# Altium PCB Copy of RaspberryHatBoard1.PcbDoc (part 3 of 3)
Units mm, origin at the board's own origin, x right, y up, seen from the top; angles counter-clockwise.
Board outline 65 x 56 mm, 2 copper layers (Top Layer, Bottom Layer); 197 components, 133 nets, 606 pads, 241 vias.
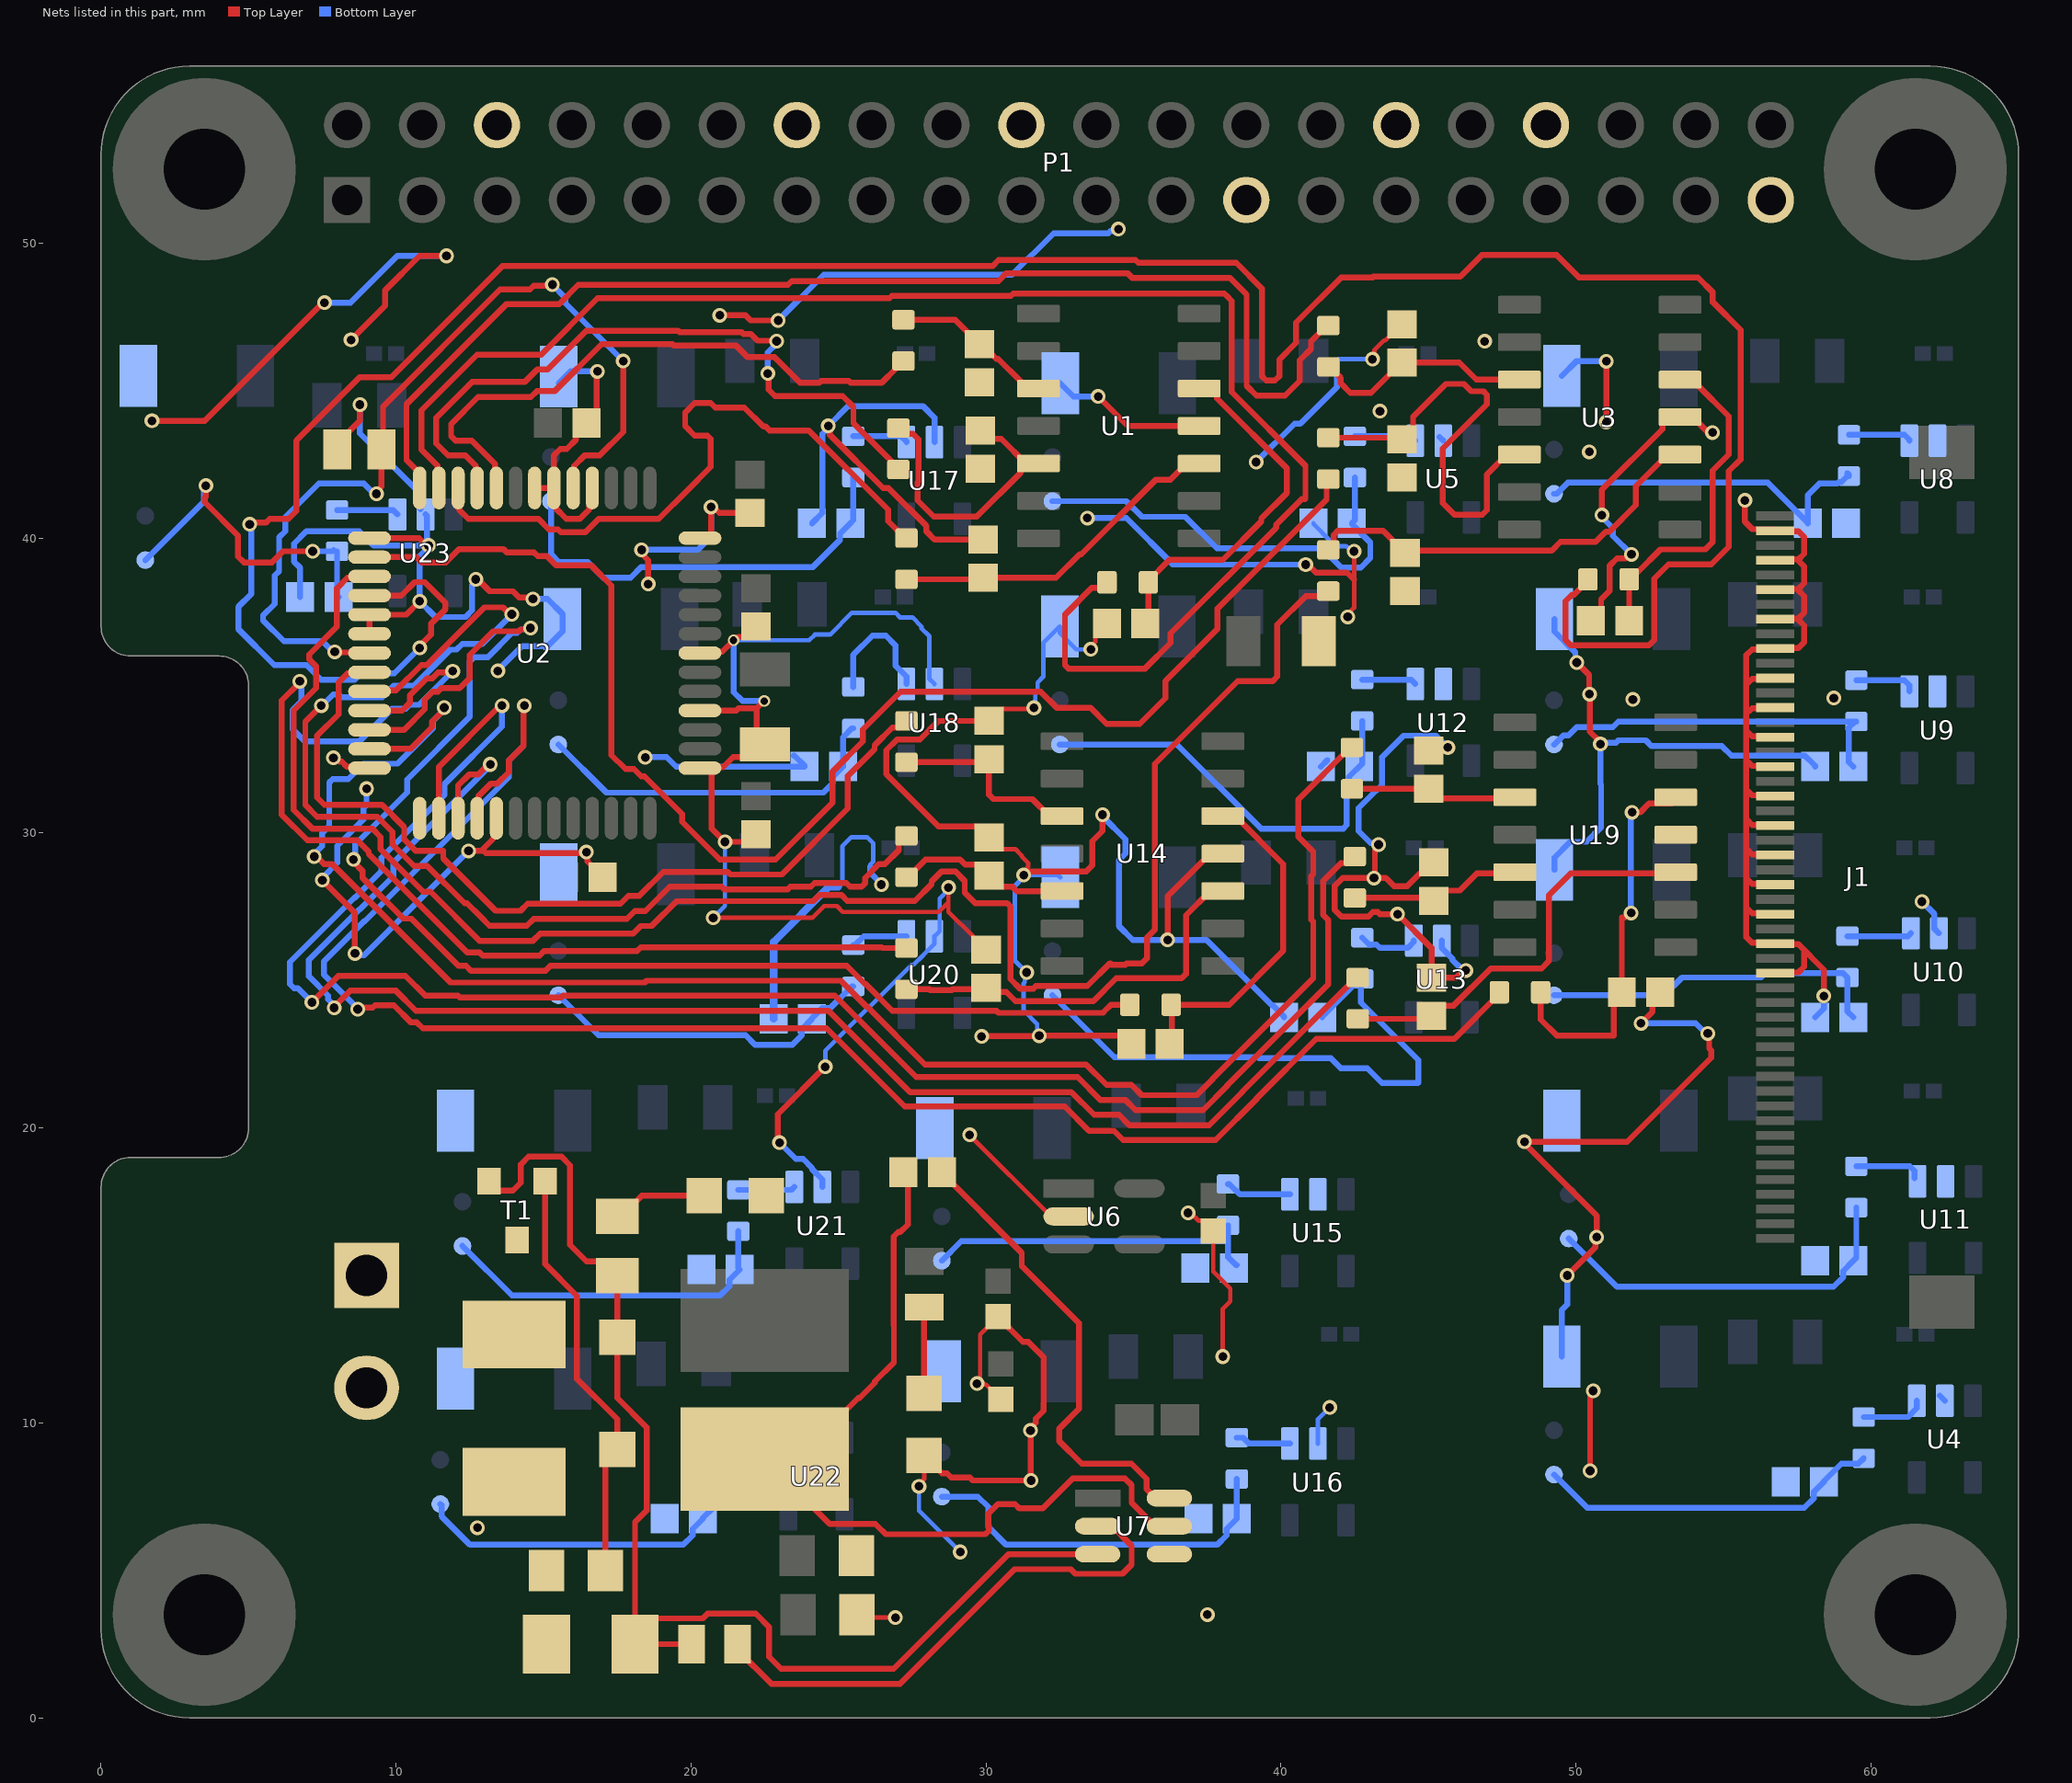
[diagram p3: the nets of this part, all layers, seen from the top]

## Via types
v1: diameter 0.5, hole 0.3, Top Layer to Bottom Layer, 236 vias
v2: diameter 0.4, hole 0.2, Top Layer to Bottom Layer, 3 vias
v3: diameter 0.4, hole 0.25, Top Layer to Bottom Layer, 2 vias

## Nets (pads, with @x,y where several pads share a name; then routed paths per layer and width w, separated by ;. In a path a pad name is that pad's centre, name@x,y a point inside that pad or via, vN(x,y) a via of type N, cw(c..) or ccw(c..) an arc to the next point about the centre after c; other vN are vias at no path point) (continued)
GND: C1.1 C3.2 C4.2 C5.1 C6.1 C7.1 C8.1 C9.2 C10.2 C11.2 C12.2 C13.2 C14.2 C15.2 C16.2 C17.2 C18.2 C19.2 C20.2 C21.2 C22.2 C23.2 C24.2 C25.2 C26.2 C27.2 C28.2 C29.2 C30.2 C31.2 C32.2 C33.2 C34.2 C35.2 C36.2 C37.2 C38.2 C39.2 C40.2 C41.2 C42.2 C43.1 C44.1 C45.1 C46.1 C47.2 D1.1 D2.1 D3.1 D4.1 D5.1 D6.1 D7.1 D8.1 D9.1 D10.1 D11.1 D12.1 D13.1 D14.1 D15.1 D16.1 D17.2 D19.1 D20.1 J1.2 J1.4 J1.6 J1.8 J1.10 J1.12 J1.14 J1.16 J1.18 J1.20 J1.22 J1.24 J1.26 J1.28 J1.30 J1.32 J3.2 P1.6 P1.14 P1.20 P1.25 P1.30 P1.34 P1.39 R17.1 U1.11 U2.4 U2.6 U2.7 U2.14 U2.18 U2.19 U2.26 U2.27 U2.31 U2.40 U2.43 U2.46 U2.52 U3.11 U4.2 U5.2 U6.2 U7.4 U8.2 U9.2 U10.2 U11.2 U12.2 U13.2 U14.11 U15.2 U16.2 U17.2 U18.2 U19.11 U20.2 U21.2 U22.2 U23.2 | length 406.3
  Top Layer w0.15: v1(20.75,27.125) 24.108,27.125 24.508,27.525 24.942,27.525 25.142,27.325 28.4,27.325 28.725,27.65 ; C11.2@25.625,3.5 25.725,3.4 v1(26.925,3.4) ; v1(27.725,7.85) 27.725,7.925 27.9,8.1 D20.1@27.9,8.9 ; v1(28.725,28.15) 28.725,27.65 ; v1@29.432,19.767 32.199,17 U6.2@32.799,17 ; C27.2@30,26.05 29.975,26.05 29.575,26.45 29.575,26.475 28.725,27.325 28.725,27.65 ; C26.2@30.1,29.85 30.5,29.45 31,29.45 31.207,29.243 31.207,29.207 31.425,28.989 31.425,28.857 31.4,28.832 v1@31.4,28.7 ; C25.2@30.1,33.8 30.5,34.2 31.579,34.2 v1(31.622,34.244) ; C8.1@30.399,13.599 29.796,12.996 29.796,11.459 29.957,11.298 30,11.298 C6.1@30.499,10.799 ; v1(33.55,36.225) 33.55,36.32 33.7,36.47 33.7,36.7 C13.2@34.1,37.1 ; v1(36.848,17.12) 36.942,17.12 37.21,16.852 37.347,16.852 C7.1@37.7,16.499 37.7,15.128 38.275,14.553 38.275,14.118 38.025,13.868 v1(38.025,12.25) ; v1(42.261,37.326) 42.261,37.421 42.475,37.636 42.475,38.593 v1(42.475,39.55) ; v1(43.1,46.065) 43.167,46.131 43.167,46.381 43.486,46.7 43.525,46.7 44.075,47.25 C17.2@44.1,47.25
  Top Layer w0.2: v1(1.725,43.975) 3.522,43.975 7.528,47.981 v1(7.575,47.981) ; v1(7.5,28.4) 8.606,27.294 v1(8.606,25.917) ; v1(7.875,32.55) 7.956,32.55 8.089,32.418 8.159,32.418 8.329,32.248 9.052,32.248 U2.26@9.1,32.2 ; C1.1@8,43 8,43.2 8.775,43.975 v1(8.775,44.525) ; v1(8.475,46.719) 9.635,47.878 9.635,48.403 10.798,49.566 v1(11.71,49.566) ; U2.19@9.1,36.75 U2.18@9.1,37.4 10.343,37.4 v1(10.8,37.857) ; U2.14@9.1,40 10.783,40 11.033,39.75 v1(11.1,39.75) ; v1(12.456,29.392) 12.967,29.392 13.038,29.321 16.278,29.321 v1@16.348,29.251 ; v1(12.7,38.6) 12.767,38.6 13.173,38.194 13.963,38.194 14.173,37.984 14.591,37.984 v1(14.639,37.936) ; 12.967,29.475 13.275,29.783 13.275,29.807 13.47,30.002 U2.31@13.47,30.429 ; D17.2@12.977,9.023 D17.2@14,8 ; v1@13.389,35.494 v1(13.453,35.494) ; U2.7@14.7,41.7 U2.6@15.35,41.7 ; v1(16.452,29.355) v1@16.348,29.251 ; U2.4@16.65,41.7 16.65,41.147 16.552,41.049 16.552,40.971 16.229,40.648 15.771,40.648 15.388,41.032 15.388,41.662 U2.6@15.35,41.7 ; v1(16.825,45.65) 16.798,45.623 16.798,44.248 C43.1@16.45,43.9 16.102,43.552 16.102,43.338 15.783,43.019 15.563,43.019 15.35,42.806 U2.6@15.35,41.7 ; C42.2@17,28.5 17,28.525 16.484,29.041 16.484,29.116 v1@16.348,29.251 ; v1(18.325,39.596) 18.372,39.549 18.372,39.422 18.548,39.246 v1(18.548,38.442) ; U2.40@20.3,32.2 20.659,32.2 20.75,32.109 20.725,32.109 20.7,32.085 20.7,30.15 v1(21.15,29.7) 21.925,29.7 C44.1@22.175,29.95 ; U2.43@20.3,34.15 21.533,34.15 21.607,34.224 22.224,34.224 ; U2.52@20.3,40 20.56,40 20.675,40.115 v1(20.675,41.05) 20.756,41.05 20.956,40.85 C46.1@22,40.85 ; U2.40@20.75,32.2 20.788,32.238 21.088,32.238 21.425,32.575 21.799,32.575 C47.2@22.224,33 ; U2.46@20.95,36.144 21.051,36.144 v3(21.442,36.535) 21.482,36.535 21.599,36.652 21.852,36.652 C45.1@22.2,37 ; v1(20.975,47.551) 21.841,47.551 22.017,47.375 v1(22.95,47.375) ; v3(22.475,34.475) 22.224,34.224 ; C47.2@22.5,33 C47.2@22.224,33 ; v1(23,19.5) 22.945,19.555 22.945,20.05 22.942,20.053 22.942,20.467 v1(24.55,22.075) ; v1(24.65,43.8) 24.707,43.743 24.707,43.493 26.505,41.695 26.691,41.695 27.98,40.406 27.98,40.22 28.25,39.95 C9.2@29.9,39.95 ; v1(26.45,28.25) v1@26.45,28.331 ; D20.1@28.306,8.494 28.507,8.293 28.676,8.293 28.819,8.15 29.45,8.15 29.55,8.05 v1(31.525,8.05) 31.515,8.06 31.515,9.735 v1(31.505,9.745) 31.505,9.826 31.685,10.006 31.685,10.143 31.95,10.408 31.95,12.228 31.428,12.749 31.251,12.749 C8.1@30.4,13.599 ; v1(29.85,23.101) 29.862,23.113 31.788,23.113 v1(31.8,23.125) 34.65,23.125 C29.2@34.925,22.85 ; C26.2@30.1,29.85 29.725,30.225 28.389,30.225 26.62,31.994 26.62,32.806 26.984,33.17 27.756,33.17 28.386,33.8 C25.2@30.1,33.8 ; v1(31.275,28.575) 31.4,28.7 33.394,28.7 33.6,28.906 33.6,29.728 33.942,30.07 33.942,30.612 v1(33.95,30.62) ; v1(33.8,44.8) 34.8,43.8 U1.11@37.225,43.8 ; v1(36.153,26.377) 36.153,27.853 37.6,29.3 U14.11@38.025,29.3 ; v1(40.834,39.1) 40.915,39.1 41.185,38.83 42.238,38.83 42.475,38.593 ; v1(43.306,29.606) 43.306,29.525 43.18,29.399 43.18,28.505 v1(43.15,28.475) ; C33.2@45,32.8 45.1,32.9 v1(45.65,32.9) ; C34.2@45.087,29 45.087,28.937 44.775,28.625 44.701,28.625 44.278,28.202 43.822,28.202 43.552,28.472 43.153,28.472 v1(43.15,28.475) ; v1(46.261,25.339) 46.18,25.339 45.941,25.1 C35.2@45.1,25.1 45.1,26.101 v1(43.951,27.25) 43.35,27.25 43.282,27.318 43.111,27.318 42.962,27.17 42.044,27.17 41.82,27.394 41.82,28.206 42.089,28.475 v1(43.15,28.475) ; v1(49.7,15) 50.653,15.953 50.653,16.253 v1(50.7,16.3) 50.7,17.025 48.253,19.472 v1(48.253,19.531) 51.731,19.531 54.58,22.38 54.58,22.634 54.512,22.702 54.512,23.158 v1(54.465,23.205) ; v1(50.023,35.78) 50.444,35.359 50.444,34.722 v1(50.457,34.709) ; v1@50.469,34.709 50.469,33.437 50.825,33.081 v1(50.825,33.015) ; v1(50.475,8.375) 50.475,10.95 v1@50.575,11.05 ; C21.2@50.5,37.2 50.848,37.548 50.848,37.924 51.143,38.219 51.143,39.067 51.383,39.307 51.673,39.307 51.812,39.446 v1(51.879,39.446) ; v1(50.875,40.777) 50.875,41.637 52.927,43.69 52.927,43.927 53.1,44.1 U3.11@53.525,44.1 53.95,44.1 54.418,43.632 54.568,43.632 v1(54.625,43.575) ; v1(51.025,43.925) v1@51.025,46 ; v1(52.2,23.55) 52.584,23.934 52.584,24.334 C37.2@52.85,24.6 ; v1(55.725,41.275) 55.725,40.551 55.976,40.3 56.7,40.3 J1.2@56.75,40.25 56.773,40.227 57.535,40.227 57.727,40.035 57.727,39.465 57.535,39.273 56.773,39.273 J1.4@56.75,39.25 ; J1.32@56.75,25.25 56.773,25.273 57.535,25.273 57.727,25.465 57.727,26.035 ; J1.28@56.75,27.25 56.727,27.273 55.965,27.273 55.773,27.465 ; J1.26@56.75,28.25 56.727,28.273 55.965,28.273 55.773,28.465 ; J1.24@56.75,29.25 56.727,29.273 55.965,29.273 55.773,29.465 ; J1.22@56.75,30.25 56.727,30.273 55.965,30.273 55.773,30.465 ; J1.20@56.75,31.25 56.727,31.273 55.965,31.273 55.773,31.465 ; J1.18@56.75,32.25 56.727,32.273 55.965,32.273 55.773,32.465 ; J1.16@56.75,33.25 56.727,33.273 55.965,33.273 55.773,33.465 ; J1.14@56.75,34.25 56.727,34.227 55.965,34.227 55.869,34.131 55.773,34.227 ; J1.12@56.75,35.25 56.727,35.227 55.965,35.227 55.773,35.035 ; J1.8@56.75,37.25 56.773,37.273 57.535,37.273 57.727,37.465 57.727,38.035 57.535,38.227 ; J1.6@56.75,38.25 56.773,38.273 57.535,38.273 57.727,38.465 57.727,39.035 57.535,39.227 ; 57.535,37.227 57.727,37.035 57.727,36.465 57.535,36.273 56.773,36.273 J1.10@56.75,36.25 56.727,36.227 55.965,36.227 55.773,36.035 55.773,35.035 ; v1(58.4,24.475) 58.4,25.362 57.535,26.227 56.773,26.227 J1.30@56.75,26.25 56.727,26.273 55.965,26.273 55.773,26.465 55.773,27.465 ; C47.2@22.224,33 22.224,34.224 ; 55.773,27.465 55.773,28.465 ; 55.773,28.465 55.773,29.465 ; 55.773,29.465 55.773,30.465 ; 55.773,30.465 55.773,31.465 ; 55.773,31.465 55.773,32.465 ; 55.773,32.465 55.773,33.465 ; 55.773,33.465 55.773,34.227 ; 55.773,34.227 55.773,35.035
  Bottom Layer w0.15: v1(20.75,27.125) 20.75,27.131 21.15,27.531 v1(21.15,29.7) ; v3(21.442,36.535) 24.006,36.535 24.196,36.725 24.714,36.725 25.453,37.464 26.924,37.464 27.078,37.31 27.502,37.31 27.81,37.002 27.81,36.935 28.076,36.669 28.076,35.224 U18.2@28.25,35.05 ; v1(24.55,22.075) 24.55,22.611 27.47,25.531 27.54,25.531 27.875,25.866 27.875,25.875 28.25,26.25 U20.2@28.25,26.5 28.424,26.674 28.424,27.779 28.725,28.08 v1(28.725,28.15) ; 24.985,28.173 25.125,28.313 25.125,29.549 25.433,29.857 25.962,29.857 26.175,29.644 26.175,29.467 26.175,29.033 26.075,28.933 26.075,28.867 ; v1(27.725,7.85) 27.725,7.025 v1(29.125,5.625) ; v1(31.622,34.244) 31.669,34.291 31.669,34.719 31.744,34.794 31.744,35.1 31.94,35.295 31.94,36.44 D7.1@32.5,37 32.5,36.785 33.06,36.225 v1(33.55,36.225) ; v1(31.8,23.125) 31.733,23.192 31.733,23.524 31.275,23.982 31.275,24.904 31.308,24.937 31.308,25.208 v1(31.375,25.275) 30.975,25.675 30.975,28.203 31.275,28.503 v1(31.275,28.575) 32.44,28.575 D8.1@32.515,28.5 ; C22.2@41.1,40.5 41.1,40.475 41.65,39.925 41.65,39.886 41.811,39.725 42.205,39.725 42.38,39.55 v1(42.475,39.55) ; U16.2@41.25,9.3 41.25,10.125 v1(41.65,10.525) ; 41.9,46.02 41.945,46.065 v1(43.1,46.065)
  Bottom Layer w0.2: C40.2@6.75,38 6.75,38.989 6.544,39.195 6.544,39.811 6.958,40.225 8.758,40.225 9.233,39.75 v1(11.1,39.75) ; v1(7.5,28.4) 7.5,28.481 8.007,28.988 8.007,29.572 8.896,30.462 8.896,30.85 8.996,30.95 8.996,31.496 v1(9,31.5) ; v1(7.575,47.981) 8.456,47.981 10.041,49.566 v1(11.71,49.566) ; v1@8.625,25.85 8.914,25.85 v1(12.456,29.392) ; v1(8.775,44.525) 8.772,44.522 8.772,43.553 10.827,41.498 U23.2@10.827,40.973 ; U23.2@11,40.8 11.053,40.747 11.053,39.796 v1(11.1,39.75) ; v1(12.7,38.6) 12.7,38.533 12.577,38.41 12.577,37.544 12.356,37.323 11.334,37.323 v1(10.8,37.857) 10.8,39.383 11.123,39.706 11.123,39.726 v1(11.1,39.75) ; v1(13.453,35.494) 13.453,35.521 14.259,36.327 15.132,36.327 15.64,36.835 D12.1@15.64,37.25 15.64,37.428 15.132,37.936 v1(14.639,37.936) ; D11.1@15.515,45.25 15.915,45.65 v1(16.825,45.65) ; v1(18.325,39.596) 18.329,39.6 20.225,39.6 20.675,40.05 v1(20.675,41.05) ; v1(18.446,32.563) 18.458,32.575 19.167,32.575 19.492,32.25 C32.2@23.85,32.25 23.85,32.275 23.502,32.623 C32.2@23.477,32.623 ; v3(21.442,36.535) 21.442,34.778 21.745,34.475 v3(22.475,34.475) ; v1(22.95,47.375) 24.498,48.923 30.877,48.923 32.289,50.334 34.149,50.334 34.228,50.413 34.43,50.413 v1(34.487,50.471) ; v1(23,19.5) 23.55,18.95 23.794,18.95 24.1,18.644 24.1,18.6 24.45,18.25 U21.2@24.45,18 ; U22.2@24.077,9.673 U22.2@24.25,9.5 ; C31.2@24.1,40.5 24.448,40.848 24.448,43.531 24.65,43.733 v1(24.65,43.8) 25.325,44.475 27.858,44.475 28.25,44.083 U17.2@28.25,43.25 ; 26.075,28.866 26.075,28.653 26.45,28.278 v1(26.45,28.25) ; D6.1@32.515,45.25 32.965,44.8 v1(33.8,44.8) ; v1(33.431,40.68) 34.754,40.68 36.334,39.1 v1(40.834,39.1) ; v1(33.95,30.62) 33.95,30.558 34.725,29.783 34.725,29.298 34.5,29.072 34.5,26.847 34.971,26.377 v1(36.153,26.377) 37.473,26.377 39.7,24.15 39.725,24.15 40.1,23.775 C24.2@40.1,23.75 ; v1(39.151,42.574) 40.456,43.878 40.653,43.878 41.9,45.126 41.9,46.02 ; C23.2@41.35,32.25 C23.2@41.575,32.475 ; v1(43.306,29.606) 43.248,29.664 43.027,29.664 42.625,30.066 42.625,30.841 43.234,31.45 43.249,31.45 43.425,31.626 43.425,32.569 44.156,33.3 45.25,33.3 v1(45.65,32.9) ; U5.2@45.375,43.425 U5.2@45.5,43.3 ; U13.2@45.45,26.35 45.45,26.1 45.8,25.75 45.8,25.706 46.109,25.396 46.204,25.396 v1(46.261,25.339) ; D3.1@49.265,28.75 49.265,29.165 49.8,29.7 50.354,29.7 50.85,30.196 50.85,31.642 50.825,31.667 v1(50.825,33.015) ; D2.1@49.265,37.25 49.265,36.835 49.976,36.124 49.976,35.827 v1(50.023,35.78) ; D5.1@49.515,12.25 49.515,13.832 49.7,14.017 v1(49.7,15) ; D1.1@49.515,45.5 50.006,45.991 v1(51.026,45.991) ; v1(50.875,40.777) 50.875,40.71 51.248,40.336 51.248,40.077 v1(51.879,39.446) ; v1@50.892,33.062 51.357,33.062 51.438,33.144 52.358,33.144 52.558,32.944 54.943,32.944 55.264,32.623 57.752,32.623 58.1,32.275 C14.2@58.1,32.25 ; v1(52.2,23.55) 54.054,23.55 54.398,23.205 v1(54.465,23.205) ; C15.2@58.1,23.75 58.4,24.05 v1(58.4,24.475) ; v1(61.725,27.675) 62.147,27.253 62.147,26.753 U10.2@62.3,26.6 ; U4.2@62.327,10.923 U4.2@62.5,10.75
  Bottom Layer w0.254: C36.2@22.8,23.7 22.8,26.308 24.665,28.173 24.985,28.173
  other v1: 37.5,3.5 12.76,6.446 50.579,11.088 29.691,11.332 29.445,19.767 51.925,34.525 58.736,34.576 50.45,42.925 43.35,44.3 46.9,46.668
NetC1_2: C1.2 U2.5 U2.20 | length 31
  Top Layer w0.2: v1(7.92,36.142) 7.941,36.121 9.079,36.121 U2.20@9.1,36.1 ; v1(9.333,41.5) 9.333,41.581 9.5,41.748 C1.2@9.5,43 9.557,43.057 9.557,44.458 13.527,48.428 14.542,48.428 14.669,48.555 15.265,48.555 v1(15.3,48.59) ; U2.5@16,41.7 16.038,41.738 16.038,42.445 16.399,42.806 16.906,42.806 17.7,43.6 v1(17.7,46)
  Bottom Layer w0.2: v1(7.92,36.142) 7.857,36.142 7.5,36.5 6.198,36.5 5.491,37.206 5.491,37.372 5.89,37.771 5.89,38.729 6.036,38.875 6.036,40.022 6.242,40.228 6.242,40.71 7.382,41.85 8.905,41.85 9.255,41.5 v1(9.333,41.5) ; v1(15.3,48.59) 15.3,48.58 15.741,48.139 15.741,47.959 v1(17.7,46)
NetC2_1: C2.1 U7.6 | length 16.1
  Top Layer w0.2: C2.1@28.5,18.5 28.5,18.475 31.21,15.765 31.21,15.318 33.144,13.384 33.144,10.47 32.485,9.811 32.485,9.377 33.24,8.622 34.923,8.622 35.443,8.101 35.443,7.755 35.748,7.45 U7.6@36.216,7.45
NetC2_2: C2.2 L1.1 U7.5 | length 29.6
  Top Layer w0.2: C2.2@27.2,18.5 27.35,18.35 27.35,16.725 27.095,16.47 27.024,16.47 26.868,16.314 26.868,13.315 26.875,13.308 26.875,12.052 26.231,11.408 26.231,11.362 25.715,10.846 25.669,10.846 23.6,8.777 L1.1@22.5,8.777 24.696,6.581 26.24,6.581 26.321,6.5 26.324,6.5 26.599,6.225 29.974,6.225 30.091,6.342 30.091,6.508 30.075,6.524 30.075,6.928 30.397,7.25 30.982,7.25 31.131,7.1 31.918,7.1 32.932,8.114 34.712,8.114 34.935,7.891 34.935,7.293 35.729,6.5 U7.5@36.216,6.5
NetC3_1: C3.1 R21.1 U1.3 | length 5.6
  Top Layer w0.2: R21.1@27.2,47.4 28.95,47.4 29.402,46.948 29.402,46.923 29.728,46.597 29.823,46.597 29.823,46.553 30.148,46.227 30.193,46.227 30.343,46.077 30.41,46.077 31.177,45.31 31.177,45.243 31.35,45.07 U1.3@31.775,45.07
NetC4_1: C4.1 R23.2 U1.5 | length 9.9
  Top Layer w0.2: R23.2@27.3,43.7 27.3,43.537 27.305,43.532 27.518,43.532 27.705,43.345 27.705,41.919 27.675,41.889 27.675,41.277 28.227,40.725 29.683,40.725 31.177,42.219 31.177,42.357 U1.5@31.35,42.53 ; C4.1@29.8,43.65 30.088,43.362 30.518,43.362 U1.5@31.35,42.53 ; U1.5@31.775,42.53 U1.5@31.35,42.53
NetC5_2: C5.2 CH1_I.1 R22.1 | length 12.1
  Bottom Layer w0.2: CH1_I.1@49.25,41.5 49.344,41.5 49.725,41.881 56.494,41.881 C5.2@57.85,40.525 ; C5.2@57.85,40.5 C5.2@57.85,40.525 ; R22.1@59.25,42.1 59.25,42.15 59.2,42.2 59.2,42.1 58.997,41.897 58.897,41.897 58.85,41.85 58.25,41.85 57.85,41.45 C5.2@57.85,40.525
NetC9_1: C9.1 R24.2 U1.10 | length 11.6
  Top Layer w0.2: R24.2@27.3,38.6 29.85,38.6 C9.1@29.9,38.65 32.375,38.65 33.175,39.45 33.228,39.45 35.759,41.981 36.251,41.981 36.8,42.53 U1.10@37.225,42.53
NetC12_1: C12.1 D18.1 R18.2 R19.2 T1.2 U7.3 | length 42.6
  Top Layer w0.2: T1.2@13.15,18.2 13.15,18.15 13.423,17.877 13.961,17.877 14.226,18.143 14.226,18.76 14.494,19.027 15.606,19.027 15.894,18.739 15.894,16.035 16.456,15.473 17.027,15.473 R18.2@17.5,15 D18.1@17.5,12.905 17.5,10.844 18.491,9.853 18.491,7.03 18.1,6.639 C12.1@18.1,2.7 ; R19.2@20.024,2.5 C12.1@18.1,2.5 C12.1@18.1,2.7 ; U7.3@33.784,5.55 30.757,5.55 26.872,1.665 23.053,1.665 22.644,2.074 22.644,3.079 22.187,3.536 20.561,3.536 20.399,3.373 18.773,3.373 C12.1@18.1,2.7
NetC13_1: C13.1 R25.2 U1.12 | length 12.5
  Top Layer w0.2: C13.1@35.4,37.1 35.5,37.2 35.5,38.55 36.211,39.261 38.03,39.261 39.331,40.562 39.331,40.664 40.2,41.533 40.2,42.359 37.823,44.736 37.823,44.897 37.65,45.07 U1.12@37.225,45.07
NetC14_1: C14.1 CH2_I.1 R26.2 | length 12.3
  Bottom Layer w0.2: CH2_I.1@49.25,33 49.261,33 49.572,33.311 49.742,33.311 50.023,33.592 51.245,33.592 51.432,33.78 R26.2@59.5,33.78 59.45,33.78 59.247,33.577 59.247,32.403 C14.1@59.4,32.25
NetC15_1: C15.1 CH3_I.1 R27.2 | length 11.8
  Bottom Layer w0.2: CH3_I.1@49.25,24.5 52.989,24.5 53.591,25.102 56.268,25.102 56.418,25.252 59.048,25.252 R27.2@59.2,25.1 59.2,23.95 C15.1@59.4,23.75
NetC16_1: C16.1 CH4_I.1 R28.2 | length 12.7
  Bottom Layer w0.2: CH4_I.1@49.75,16.25 51.381,14.619 58.733,14.619 59.052,14.938 59.052,15.152 C16.1@59.4,15.5 59.5,15.6 R28.2@59.5,17.3
NetC17_1: C17.1 R29.2 U3.3 | length 7.6
  Top Layer w0.2: R29.2@41.6,45.8 41.65,45.8 42.025,45.425 42.025,45.247 42.347,44.925 43.05,44.925 44.075,45.95 C17.1@44.1,45.95 ; C17.1@44.125,45.95 46.041,45.95 46.616,45.375 48.07,45.375 U3.3@48.075,45.37
NetC18_1: C18.1 R31.2 U3.5 | length 15.1
  Top Layer w0.2: R31.2@41.6,43.4 44.175,43.4 44.473,43.698 44.473,44.11 45.588,45.225 46.2,45.225 46.45,44.975 46.86,44.975 46.977,44.858 46.977,44.53 45.481,43.034 45.481,41.189 45.876,40.794 46.824,40.794 46.973,40.943 46.973,42.153 47.65,42.83 U3.5@48.075,42.83
NetC19_1: C19.1 R32.2 U3.10 | length 14.4
  Top Layer w0.2: R32.2@41.6,39.6 41.781,39.781 41.781,40.105 41.925,40.25 43.45,40.25 44.121,39.579 49.179,39.579 49.469,39.869 50.661,39.869 51.007,40.215 51.129,40.215 52.028,41.114 52.028,41.758 53.1,42.83 U3.10@53.525,42.83
NetC20_1: C20.1 CH5_I.1 R30.1 | length 11.8
  Bottom Layer w0.2: CH5_I.1@49.25,8.25 50.381,7.119 57.733,7.119 58.052,7.438 58.052,7.652 C20.1@58.4,8 ; C20.1@58.4,8.025 58.989,8.614 59.564,8.614 R30.1@59.75,8.8
NetC21_1: C21.1 R33.2 U3.12 | length 11.4
  Top Layer w0.2: C21.1@51.8,37.2 51.8,38.65 52.003,38.853 52.102,38.853 52.862,39.613 54.376,39.613 54.627,39.864 54.627,42.285 55.175,42.833 55.175,44.125 54.123,45.177 54.123,45.197 53.95,45.37 U3.12@53.525,45.37
NetC22_1: C22.1 CH6_I.1 R34.1 | length 14.9
  Bottom Layer w0.2: CH6_I.1@32.25,41.25 34.75,41.25 35.281,40.719 36.754,40.719 37.823,39.65 41.356,39.65 41.656,39.35 41.694,39.35 42.044,39 42.703,39 43.025,39.322 43.025,39.85 42.4,40.475 C22.1@42.4,40.5 42.5,40.6 R34.1@42.5,42.05
NetC23_1: C23.1 CH7_I.1 R35.1 | length 14.7
  Bottom Layer w0.2: CH7_I.1@32.5,33 36.473,33 39.323,30.15 42.108,30.15 42.225,30.267 42.225,31.241 42.302,31.318 42.302,31.902 42.75,32.35 R35.1@42.75,33.8
NetC24_1: C24.1 CH8_I.1 R36.1 | length 19.8
  Bottom Layer w0.2: CH8_I.1@32.25,24.5 34.35,22.4 39.218,22.4 39.257,22.361 41.689,22.361 42.025,22.025 42.926,22.025 43.426,21.525 44.643,21.525 44.65,21.532 44.65,22.303 42.7,24.253 R36.1@42.7,25 ; C24.1@41.4,23.75 41.4,23.775 42.472,24.847 42.547,24.847 R36.1@42.7,25 ; R36.1@42.75,25.05 R36.1@42.7,25
NetC25_1: C25.1 R37.2 U14.3 | length 6.7
  Top Layer w0.2: R37.2@27.3,32.4 C25.1@30,32.4 ; C25.1@30.1,32.5 30.1,32.4 30.1,31.299 30.249,31.15 31.57,31.15 32.15,30.57 U14.3@32.575,30.57
NetC26_1: C26.1 R39.2 U14.5 | length 6
  Top Layer w0.2: R39.2@27.3,28.5 27.35,28.5 27.95,29.1 29.118,29.1 29.293,28.925 29.725,28.925 30.475,28.175 30.897,28.175 31.047,28.025 32.57,28.025 U14.5@32.575,28.03
NetC27_1: C27.1 R40.2 U14.10 | length 13.7
  Top Layer w0.2: R40.2@27.3,24.7 28.079,24.7 28.104,24.675 28.839,24.675 28.864,24.7 29.95,24.7 C27.1@30,24.75 30.135,24.615 30.683,24.615 30.997,24.301 33.638,24.301 34.412,25.075 36.631,25.075 36.78,25.224 36.78,27.21 37.6,28.03 U14.10@38.025,28.03
NetC28_1: C28.1 CH9_I.1 R38.1 | length 11.5
  Bottom Layer w0.2: CH9_I.1@28.5,15.5 29.162,16.162 38.2,16.162 ; R38.1@38.2,16.7 38.2,16.162 ; C28.1@38.5,15.35 38.473,15.35 38.2,15.623 38.2,16.162
NetC29_1: C29.1 R41.2 U14.12 | length 11.7
  Top Layer w0.2: R41.2@36.275,24.175 38.244,24.175 40.075,26.006 40.075,28.945 38.45,30.57 U14.12@38.025,30.57 ; C29.1@36.3,22.5 R41.2@36.3,24
NetC30_1: C30.1 CH10_I.1 R42.1 | length 12.9
  Bottom Layer w0.2: CH10_I.1@28.5,7.5 29.725,7.5 30.075,7.15 30.075,6.472 30.678,5.869 37.833,5.869 38.152,6.188 38.152,6.402 C30.1@38.5,6.75 R42.1@38.5,8.1
NetC31_1: C31.1 CH11_I.1 R43.1 | length 14.8
  Bottom Layer w0.2: CH11_I.1@15.25,41.25 15.25,39.461 15.522,39.189 16.503,39.189 16.683,39.009 16.683,38.996 17.021,38.658 17.948,38.658 18.309,39.019 24.133,39.019 25.052,39.938 25.052,40.152 C31.1@25.4,40.5 25.5,40.6 R43.1@25.5,42.05
NetC32_1: C32.1 CH12_I.1 R44.1 | length 12.3
  Bottom Layer w0.2: CH12_I.1@15.5,33 17.131,31.369 23.227,31.369 24.483,31.369 24.802,31.688 24.802,31.902 C32.1@25.15,32.25 25.15,33.25 25.45,33.55 R44.1@25.5,33.55
NetC33_1: C33.1 R45.2 U19.3 | length 5.7
  Top Layer w0.2: R45.2@42.4,31.5 C33.1@45,31.5 45.33,31.17 U19.3@47.975,31.17
NetC34_1: C34.1 R47.2 U19.5 | length 5.9
  Top Layer w0.2: R47.2@42.5,27.8 44.9,27.8 45,27.7 45.348,28.048 46.056,28.048 46.638,28.63 U19.5@47.975,28.63
NetC35_1: C35.1 R48.2 U19.10 | length 14.2
  Top Layer w0.2: R48.2@42.6,23.7 45,23.7 45.448,24.148 45.848,24.148 47.109,25.409 48.828,25.409 49.081,25.662 49.081,27.892 49.819,28.63 U19.10@53.425,28.63
NetC36_1: C36.1 CH13_I.1 R46.1 | length 11.6
  Bottom Layer w0.2: CH13_I.1@15.5,24.5 16.859,23.141 21.845,23.141 22.167,22.819 23.433,22.819 23.752,23.138 23.752,23.352 C36.1@24.1,23.7 ; C36.1@24.1,23.725 24.448,24.073 24.723,24.073 25.45,24.8 R46.1@25.5,24.8
NetC37_1: C37.1 R49.2 U19.12 | length 13.3
  Top Layer w0.2: R49.2@48.8,24.6 48.8,23.675 49.35,23.125 51.275,23.125 51.275,24.325 C37.1@51.55,24.6 51.55,27.142 51.651,27.142 51.8,27.29 v1(51.866,27.29) ; v1(51.9,30.7) 52.175,30.7 52.472,30.997 53.252,30.997 U19.12@53.425,31.17
  Bottom Layer w0.2: v1(51.866,27.29) 51.855,27.301 51.855,30.655 v1(51.9,30.7)
NetC38_1: C38.1 CH14_I.1 R50.1 | length 11.9
  Bottom Layer w0.2: CH14_I.1@12.25,16 13.931,14.319 20.983,14.319 21.302,14.638 21.302,14.852 C38.1@21.65,15.2 21.6,15.25 R50.1@21.6,16.5
NetC39_1: C39.1 CH15_I.1 R51.1 | length 11.9
  Bottom Layer w0.2: CH15_I.1@11.5,7.25 11.54,7.21 11.54,6.835 12.506,5.869 19.733,5.869 20.052,6.188 20.052,6.402 C39.1@20.4,6.75 20.4,6.775 20.748,7.123 21.069,7.123 21.651,7.705 R51.1@21.701,7.705
NetC40_1: C40.1 CH16_I.1 R52.1 | length 11.3
  Top Layer w0.2: v1(3.55,41.775) 3.544,41.769 3.544,41.403 3.515,41.375 3.515,41.209 4.644,40.08 4.644,39.375 4.849,39.17 5.789,39.17 6.168,39.55 v1(7.175,39.55)
  Bottom Layer w0.2: CH16_I.1@1.5,39.25 3.493,41.243 3.493,41.718 v1(3.55,41.775) ; v1(7.175,39.55) 7.85,39.55 R52.1@7.884,39.584 ; R52.1@8,39.55 8,38.05 C40.1@8.05,38
NetD18_2: D18.2 R17.2 T1.1 | length 14.4
  Top Layer w0.2: T1.1@15.05,18.2 15.05,15.389 16.131,14.308 16.131,11.494 17.5,10.125 D18.2@17.5,9.095 17.1,8.695 R17.2@17.1,5
NetD19_2: D19.2 R18.1 | length 3.2
  Top Layer w0.2: R18.1@17.5,17 17.625,17 18.325,17.7 D19.2@20.45,17.7
NetD20_2: D20.2 R20.1 | length 2.9
  Top Layer w0.2: D20.2@27.9,11 R20.1@27.9,13.924
NetR19_1: R19.1 U7.2 | length 17.9
  Top Layer w0.2: R19.1@21.576,2.5 21.576,2.298 22.717,1.157 27.082,1.157 30.967,5.042 32.867,5.042 33.023,4.886 34.623,4.886 34.935,5.199 34.935,5.836 34.271,6.5 U7.2@33.784,6.5
NetR21_2: R21.2 U2.9 | length 20.5
  Top Layer w0.2: U2.9@13.4,41.7 13.362,41.738 13.362,42.376 13.352,42.387 13.352,42.512 12.558,43.306 12.013,43.306 11.864,43.455 11.864,43.864 12.781,44.781 14.572,44.781 14.768,44.977 15.374,44.977 16.974,46.577 19.365,46.577 19.422,46.52 21.527,46.52 21.917,46.13 22.828,46.13 23.689,45.269 24.349,45.269 24.402,45.322 25.346,45.322 25.399,45.269 26.469,45.269 26.947,45.747 26.947,45.797 27.15,46 R21.2@27.2,46
NetR22_2: R22.2 U8.1 | length 2.1
  Bottom Layer w0.2: R22.2@59.25,43.5 61.127,43.5 61.3,43.327 U8.1@61.3,43.3
NetR23_1: R23.1 U2.10 | length 23.9
  Top Layer w0.2: U2.10@12.75,41.7 12.712,41.738 12.712,42.376 12.702,42.387 12.702,42.449 12.349,42.802 11.762,42.802 11.36,43.204 11.36,44.073 12.576,45.289 14.362,45.289 14.782,45.71 15.13,45.71 16.452,47.031 19.553,47.031 19.61,46.974 21.715,46.974 21.769,46.921 22.019,46.921 22.25,46.69 22.886,46.69 v1(22.9,46.676) ; v1(22.6,45.58) 22.624,45.556 22.624,45.03 22.844,44.81 24.608,44.81 24.612,44.814 25.135,44.814 25.505,44.445 25.505,43.895 26.845,42.555 26.845,42.505 R23.1@27.075,42.275
  Bottom Layer w0.2: v1(22.6,45.58) 22.6,46.294 22.9,46.594 v1(22.9,46.676)
NetR24_1: R24.1 U2.11 | length 22.7
  Top Layer w0.2: U2.11@12.1,41.7 12.138,41.662 12.138,40.955 12.447,40.646 14.826,40.646 15.18,40.292 15.485,40.292 15.583,40.194 16.417,40.194 16.869,40.646 18.903,40.646 19.86,41.603 20.667,42.41 20.667,43.358 20.55,43.475 20.122,43.475 19.8,43.797 19.8,44.253 20.122,44.575 20.667,44.575 20.817,44.425 21.805,44.425 22.451,43.779 22.527,43.779 22.658,43.648 23.986,43.648 26.677,40.957 26.677,40.573 27.25,40 R24.1@27.3,40
NetR25_1: R25.1 U2.12 | length 54.3
  Top Layer w0.2: U2.12@11.45,41.7 11.412,41.738 11.412,42.376 11.402,42.387 11.402,42.449 10.856,42.995 10.856,44.331 12.743,46.218 14.92,46.218 16.83,48.128 26.728,48.128 26.805,48.206 30.843,48.206 30.924,48.287 38.076,48.287 38.157,48.206 38.163,48.206 38.327,48.042 38.327,44.95 40.825,42.452 40.825,41.338 40.803,41.315 40.695,41.315 39.835,40.456 39.835,40.348 36.256,36.769 36.256,36.442 35.389,35.575 32.792,35.575 32.675,35.692 32.675,37.402 33.59,38.317 33.917,38.317 R25.1@34.1,38.5
NetR26_1: R26.1 U9.1 | length 2.1
  Bottom Layer w0.2: R26.1@59.5,35.18 61.127,35.18 61.3,35.007 U9.1@61.3,34.8
NetR27_1: R27.1 U10.1 | length 2.2
  Bottom Layer w0.2: R27.1@59.2,26.5 61.25,26.5 U10.1@61.35,26.6
NetR28_1: R28.1 U11.1 | length 2.3
  Bottom Layer w0.2: R28.1@59.5,18.7 61.317,18.7 61.467,18.55 U11.1@61.467,18.3
NetR29_1: R29.1 U2.13 | length 41.2
  Top Layer w0.2: U2.13@10.8,41.7 10.736,41.764 10.736,42.264 10.352,42.648 10.352,44.54 13.736,47.924 15.521,47.924 16.179,48.582 23.284,48.582 23.415,48.713 30.424,48.713 30.69,48.979 34.795,48.979 34.95,48.824 38.263,48.824 38.825,48.262 38.825,48.251 38.831,48.245 38.831,45.165 39.165,44.831 40.131,44.831 40.631,45.331 40.631,46.028 41.013,46.41 41.013,46.663 41.55,47.2 R29.1@41.6,47.2
NetR30_2: R30.2 U4.1 | length 2.2
  Bottom Layer w0.2: R30.2@59.75,10.2 61.25,10.2 61.55,10.5 U4.1@61.55,10.75
NetR31_1: R31.1 U2.15 | length 48.9
  Top Layer w0.2: U2.15@9.1,39.35 10.684,39.35 10.861,39.173 11.68,39.173 12.134,39.627 13.639,39.627 13.76,39.507 14.681,39.507 14.804,39.384 15.109,39.384 15.423,39.07 16.618,39.07 17.302,38.386 17.302,32.642 17.778,32.166 18.064,32.166 18.306,31.925 18.417,31.925 19.696,30.647 19.696,30.376 20.974,29.098 22.862,29.098 24.8,31.036 24.8,32.085 25.82,33.105 25.82,33.515 27.099,34.794 31.85,34.794 32.394,34.25 33.535,34.25 34.083,33.702 35.207,33.702 36.076,34.571 36.076,35.153 37.847,36.924 37.847,37.608 41.544,41.304 41.544,41.944 R31.1@41.6,42
NetR32_1: R32.1 U2.16 | length 61.4
  Top Layer w0.2: U2.16@8.9,38.662 8.424,38.662 8.413,38.652 8.351,38.652 7.998,38.299 7.998,36.998 7.053,36.053 7.053,35.887 7.286,35.653 7.286,34.915 6.525,34.154 6.525,30.784 7.159,30.15 9.193,30.15 9.475,29.868 9.475,29.451 9.848,29.078 10.922,28.004 11.169,28.004 12.828,26.346 14.642,26.346 14.88,26.584 18.035,26.584 18.298,26.848 18.664,26.848 19.506,27.69 24.142,27.69 24.352,27.9 25.098,27.9 25.298,27.7 27.586,27.7 28.154,28.268 28.154,28.357 28.497,28.7 28.953,28.7 29.275,28.378 29.275,27.976 29.626,27.625 30.708,27.625 30.825,27.508 30.825,25.047 31.147,24.725 31.603,24.725 31.687,24.809 33.428,24.809 34.202,25.583 34.209,25.583 34.262,25.529 34.718,25.529 34.772,25.583 35.283,25.583 35.45,25.75 35.45,26.447 35.725,26.722 35.725,32.344 38.531,35.15 39.719,35.15 39.867,35.299 39.867,37.061 40.839,38.032 41.432,38.032 R32.1@41.6,38.2
NetR33_1: R33.1 U2.17 | length 97
  Top Layer w0.2: v1(5.036,40.466) 5.09,40.52 5.586,40.52 5.718,40.651 6.351,40.651 6.616,40.916 6.616,43.305 8.764,45.453 9.84,45.453 13.604,49.217 30.216,49.217 30.424,49.425 35.062,49.425 35.159,49.328 38.478,49.328 39.347,48.459 39.347,45.488 39.496,45.339 39.792,45.339 39.941,45.488 39.941,46.051 40.509,46.619 40.509,47.304 42.039,48.834 43.104,48.834 43.13,48.86 46.077,48.86 46.808,49.591 49.342,49.591 49.751,49.182 50.099,48.834 54.129,48.834 54.634,48.329 54.634,47.997 55.575,47.056 55.575,42.667 55.175,42.267 55.175,39.699 54.585,39.109 53.134,39.109 52.652,38.627 52.652,36.544 52.466,36.357 49.829,36.357 49.644,36.542 49.644,37.858 49.867,38.081 49.931,38.081 50.4,38.55 R33.1@50.4,38.6 ; U2.17@9.1,38.05 10.177,38.05 10.633,38.506 10.967,38.506 11.677,37.796 11.677,37.586 11.182,37.091 11.182,36.72 10.801,36.34 v1(10.801,36.273)
  Bottom Layer w0.2: v1(5.036,40.466) 5.09,40.412 5.09,38.102 4.65,37.662 4.65,36.916 5.873,35.693 6.963,35.693 7.107,35.55 7.465,35.192 8.593,35.192 8.809,35.409 9.937,35.409 v1(10.801,36.273)
NetR34_2: R34.2 U5.1 | length 2.1
  Bottom Layer w0.2: R34.2@42.5,43.45 44.4,43.45 U5.1@44.55,43.3
NetR35_2: R35.2 U12.1 | length 1.9
  Bottom Layer w0.2: R35.2@42.75,35.2 44.4,35.2 U12.1@44.55,35.05
NetR36_2: R36.2 U13.1 | length 2
  Bottom Layer w0.2: R36.2@42.75,26.45 42.98,26.22 43.239,26.22 43.352,26.106 44.3,26.106 44.5,26.306 U13.1@44.5,26.35
NetR37_1: R37.1 U2.21 | length 30.8
  Top Layer w0.2: U2.21@9.1,35.45 9.062,35.412 8.355,35.412 8.05,35.107 8.05,34.025 7.325,33.3 7.325,31.2 7.575,30.95 9.525,30.95 10.275,30.2 10.275,29.783 10.664,29.394 11.6,29.394 11.6,29.141 13.379,27.362 14.221,27.362 14.459,27.6 17.614,27.6 17.877,27.864 18.243,27.864 19.062,28.683 21.246,28.683 21.335,28.594 23.076,28.594 25.308,30.826 25.308,31.931 26.22,32.843 26.22,32.972 26.818,33.57 27.07,33.57 R37.1@27.3,33.8
NetR38_2: R38.2 U15.1 | length 2.2
  Bottom Layer w0.2: R38.2@38.2,18.1 38.25,18.1 38.6,17.75 U15.1@40.3,17.75
NetR39_1: R39.1 U2.22 | length 41.5
  Top Layer w0.2: v1(7.467,34.318) 6.925,33.776 6.925,30.95 7.325,30.55 9.359,30.55 9.875,30.034 9.875,29.617 10.248,29.244 10.606,28.886 11.057,28.886 12.324,27.619 12.404,27.619 12.86,27.163 13.169,26.854 14.431,26.854 14.669,27.092 17.824,27.092 18.088,27.356 18.453,27.356 19.277,28.179 21.037,28.179 21.126,28.09 23.274,28.09 23.363,28.179 24.066,28.179 24.187,28.3 25.263,28.3 25.384,28.179 25.783,28.179 25.9,28.296 25.9,28.478 26.372,28.95 26.575,28.95 27.047,29.422 27.047,29.67 27.277,29.9 R39.1@27.3,29.9 ; U2.22@9.1,34.8 9.138,34.838 9.997,34.838 10.856,35.696 11.04,35.696 12.994,37.65 13.624,37.65 13.857,37.417 v1(13.924,37.417)
  Bottom Layer w0.2: v1(7.467,34.318) 7.497,34.318 7.871,34.692 8.058,34.692 8.15,34.6 9.529,34.6 9.929,35 10.617,35 11.832,36.215 12.042,36.215 12.242,36.415 12.926,36.415 13.924,37.413 v1(13.924,37.417)
NetR40_1: R40.1 U2.23 | length 40
  Top Layer w0.2: v1(6.736,35.143) 6.736,35.104 6.125,34.493 6.125,30.619 6.994,29.75 8.686,29.75 9.075,29.361 9.075,29.285 12.414,25.946 12.832,25.946 12.936,25.842 14.862,25.842 15.024,26.004 18.167,26.004 18.29,26.127 26.462,26.127 26.489,26.1 R40.1@27.3,26.1 ; U2.23@9.1,34.15 10.206,34.15 10.465,34.409 10.465,34.663 11.044,35.242 11.229,35.242 11.426,35.439 11.872,35.439 v1(11.92,35.486)
  Bottom Layer w0.2: v1(6.736,35.143) 6.794,35.086 6.794,34.636 6.797,34.634 6.797,34.468 6.5,34.171 6.5,33.517 6.917,33.1 8.749,33.1 9.867,34.218 10.327,34.218 10.454,34.345 10.778,34.345 v1(11.92,35.486)
NetR41_1: R41.1 U2.24 | length 47.2
  Top Layer w0.2: v1(8.557,29.102) 8.557,29.021 8.859,28.718 8.859,28.485 10.247,27.096 10.517,27.096 12.114,25.5 12.367,25.5 12.537,25.33 15.063,25.33 15.233,25.5 25.278,25.5 25.905,24.873 25.926,24.873 26.824,23.975 30.354,23.975 30.428,23.901 33.957,23.901 34.056,24 ; U2.24@9.1,33.5 10.274,33.5 10.973,34.198 10.973,34.529 11.232,34.788 11.417,34.788 11.538,34.909 12.159,34.909 12.497,35.247 12.497,36.041 13.296,36.84 14.163,36.84 14.224,36.901 14.508,36.901 v1(14.555,36.949) ; 34.131,24.075 34.231,24.175 R41.1@34.875,24.175
  Bottom Layer w0.2: v1(8.557,29.102) 8.614,29.159 8.614,29.614 10.374,31.374 10.374,31.816 12.497,33.939 12.497,35.812 12.645,35.961 13.114,35.961 13.934,36.781 14.104,36.781 14.224,36.901 14.508,36.901 v1(14.555,36.949)
NetR42_2: R42.2 U16.1 | length 1.9
  Bottom Layer w0.2: R42.2@38.5,9.5 38.71,9.5 38.91,9.3 U16.1@40.3,9.3
NetR43_2: R43.2 U17.1 | length 1.9
  Bottom Layer w0.2: R43.2@25.5,43.45 27.127,43.45 27.3,43.277 U17.1@27.3,43.25
NetR44_2: R44.2 U18.1 | length 4.4
  Bottom Layer w0.2: R44.2@25.5,34.95 25.5,36.042 26.147,36.689 26.603,36.689 26.925,36.367 26.925,35.675 27.3,35.3 U18.1@27.3,35.05
NetR45_1: R45.1 U2.25 | length 58.9
  Top Layer w0.2: v1(7.225,29.2) 7.306,29.2 7.556,28.95 7.828,28.95 11.848,24.93 18.429,24.93 18.491,24.992 25.073,24.992 25.959,24.106 25.974,24.106 27.93,22.151 33.392,22.151 34.082,21.461 34.929,21.461 35.279,21.111 37.143,21.111 37.664,21.632 37.664,21.651 41.091,25.078 41.091,26.992 41.02,27.063 41.02,28.537 41.091,28.608 41.091,29.366 40.583,29.874 40.583,31.133 42.35,32.9 R45.1@42.4,32.9 ; U2.25@9.1,32.85 10.483,32.85 11.222,33.588 11.222,33.777 11.63,34.185 v1(11.63,34.252)
  Bottom Layer w0.2: v1(7.225,29.2) 7.225,29.281 7.497,29.553 7.497,29.997 7.734,30.234 7.734,31.711 7.852,31.828 8.378,31.828 8.9,32.35 10.05,32.35 11.255,33.555 11.255,33.81 11.63,34.185 v1(11.63,34.252)
NetR46_2: R46.2 U20.1 | length 1.9
  Bottom Layer w0.2: R46.2@25.5,26.2 25.55,26.2 25.85,26.5 U20.1@27.3,26.5
NetR47_1: R47.1 U2.28 | length 61.7
  Top Layer w0.2: v1(7.149,24.262) 8.044,25.156 10.319,25.156 10.991,24.484 12.099,24.484 12.161,24.422 15.591,24.422 15.653,24.484 24.868,24.484 27.628,21.724 33.1,21.724 33.871,20.953 34.718,20.953 35.068,20.603 37.354,20.603 38.172,21.421 38.172,21.44 41.599,24.867 41.599,27.049 41.42,27.228 41.42,28.372 42.018,28.97 42.27,28.97 R47.1@42.5,29.2 ; U2.28@11.45,30.5 11.45,32.24 13.529,34.319 v1(13.592,34.319)
  Bottom Layer w0.2: v1(7.149,24.262) 6.675,24.736 6.542,24.736 6.4,24.878 6.4,25.62 8.588,27.808 8.606,27.808 9.507,28.708 9.507,29.163 11.646,31.303 11.646,31.663 13.592,33.609 v1(13.592,34.319)
NetR48_1: R48.1 U2.29 | length 52.6
  Top Layer w0.2: v1(7.904,24.071) 7.904,24.115 8.44,24.652 9.997,24.652 10.673,23.976 24.664,23.976 27.424,21.216 32.89,21.216 33.661,20.445 34.508,20.445 34.858,20.095 37.564,20.095 38.68,21.211 38.68,21.23 42.55,25.1 R48.1@42.6,25.1 ; U2.29@12.1,30.5 12.1,31.606 12.472,31.978 12.782,31.978 13.129,32.326 v1(13.196,32.326)
  Bottom Layer w0.2: v1(7.904,24.071) 7.904,24.152 7.699,24.357 7.699,24.49 7.046,25.143 7.046,25.701 8.753,27.408 8.772,27.408 9.907,28.542 9.907,28.997 13.196,32.287 v1(13.196,32.326)
NetR49_1: R49.1 U2.30 | length 61
  Top Layer w0.2: v1(8.7,24.025) 8.757,24.082 9.207,24.082 9.284,24.16 9.924,24.16 10.507,23.576 10.702,23.576 10.903,23.375 24.593,23.375 27.243,20.725 32.663,20.725 33.487,19.901 34.334,19.901 34.647,19.587 37.774,19.587 39.188,21.001 39.188,21.019 41.194,23.025 45.875,23.025 47.4,24.55 R49.1@47.4,24.6 ; U2.30@12.75,30.5 12.788,30.538 12.788,31.245 13.221,31.678 13.435,31.678 13.823,32.066 13.823,32.46 14.321,32.957 14.321,34.294 v1(14.346,34.319)
  Bottom Layer w0.2: v1(8.7,24.025) 8.7,24.054 7.55,25.204 7.55,25.639 8.919,27.008 8.938,27.008 13.823,31.893 13.823,32.46 14.311,32.948 14.311,34.284 v1(14.346,34.319)
NetR50_2: R50.2 U21.1 | length 1.9
  Bottom Layer w0.2: R50.2@21.6,17.9 23.4,17.9 U21.1@23.5,18
NetR51_2: R51.2 U22.1 | length 1.9
  Bottom Layer w0.2: R51.2@21.701,9.105 23.127,9.105 23.3,9.278 U22.1@23.3,9.5
NetR52_2: R52.2 U23.1 | length 2.1
  Bottom Layer w0.2: R52.2@8,40.95 9.9,40.95 U23.1@10.05,40.8
VCC: D17.1 J3.1 T1.3
pads on no net: J1.33 J1.34 J1.35 J1.36 J1.37 J1.38 J1.39 J1.40 J1.41 J1.42 J1.43 J1.44 J1.45 J1.46 J1.47 J1.48 J1.49 J1.50 J1.51 J1.52 P1.1 P1.2 P1.3 P1.4 P1.5 P1.7 P1.8 P1.9 P1.10 P1.11 P1.12 P1.13 P1.17 P1.26 P1.27 P1.28 P1.29 P1.31 P1.32 P1.33 P1.35 P1.36 P1.37 P1.38 P1.40 U2.2 U2.3 U2.33 U2.34 U2.35 U2.36 U6.4

## Polygon pours and split planes (outlines as drawn)
GND on Top Layer "GND_L01_P008" (solid, remove dead copper, pour order 8): -0.1,56 65.1,56 65.1,0 64.8,-0.3 -0.2,-0.3
+5V_Ext on Top Layer "+5V_EXT_L01_P007" (solid, pour order 7): 19,11.5 29,11.5 29,15.775 34.5,15.775 34.5,19 31.5,19 31.5,16.5 19,16.5 19,15.5
VCC on Top Layer "VCC_L01_P006" (solid, pour order 6): 7,17 16.5,17 16.5,11.5 15.5,11.5 7,11.5
GND on Bottom Layer "GND_L02_P009" (solid, remove dead copper, pour order 9): 65,56 -0.5,56 -0.5,0 65,0
+5V_Ext on Bottom Layer "+5V_EXT_L02_P012" (solid, remove dead copper, pour order 12): 9.1,37.25 9.35,37.5 9.35,39.5 25.862,39.5 26.6,40.238 26.6,42.225 28.325,42.225 28.6,41.95 28.6,16.575 26.25,16.575 26.175,16.65 23.75,14.225 22.525,14.225 22.75,14.45 22.75,18.525 26.075,18.525 26.675,19.125 26.675,37.55 9.4,37.55 9.325,37.625
+5V_Ext on Bottom Layer "+5V_EXT_L02_P011" (solid, remove dead copper, pour order 11): 45.15,41.9 45.125,41.875 45.125,22.55 43.725,22.55 43.65,22.625 41.925,20.9 41.925,5.35 39.05,5.35 39.05,19.975 43.9,24.825 43.9,41.9
+5V_Ext on Bottom Layer "+5V_EXT_L02_P010" (solid, pour order 10): 62.325,41.65 62.3,41.625 60.35,41.625 60.35,7.175 60.45,7.075 60.475,7.1 62.75,7.1 62.75,41.65 62.725,41.675

## Other copper
Top Layer:
  pour cut-out: -0.5,37 5.5,37 5.5,18 -0.5,18
  pour cut-out: 46,21.25 46,3.75 43.5,3.75 43.5,21.25
Bottom Layer:
  pour cut-out: -0.5,37 5.5,37 5.5,18 -0.5,18
  pour cut-out: 46,21 46,3.5 43.5,3.5 43.5,21

## Silkscreen, mask and mechanical layers (free items; w line width, h text height)
Top Overlay:
  drawing of 44 lines, arcs and shapes, not listed
  text "DAC" at 21,28.017 h1.52
  text "Amplificadores" at 45.35,21.621 h1.52
  text "Circuito de alimentação" at 24.1,1.396 h1.52
  text "Raspyberry Hat V.1.0" at 44.075,1.058 h1.5
Bottom Overlay:
  lines w0.2: 0.25,37 0.25,47.371 13.5,47.371 13.5,37 0.25,37 ; 10.75,5.75 10.75,13.621 26.75,13.621 26.75,5.75 10.75,5.75 ; 10.75,14.25 10.75,22.121 26.75,22.121 26.75,14.25 10.75,14.25 ; 14.23,22.75 14.23,30.621 30.75,30.621 30.75,22.75 14.23,22.75 ; 14.23,31.25 14.23,39.121 30.75,39.121 30.75,31.25 14.23,31.25 ; 14.23,39.5 14.23,47.371 30.75,47.371 30.75,39.5 14.23,39.5 ; 27.23,5.75 27.23,13.621 43.75,13.621 43.75,5.75 27.23,5.75 ; 27.23,14.25 27.23,22.121 43.75,22.121 43.75,14.25 27.23,14.25 ; 31.23,22.75 31.23,30.621 47.75,30.621 47.75,22.75 31.23,22.75 ; 31.23,31.25 31.23,39.121 47.75,39.121 47.75,31.25 31.23,31.25 ; 31.23,39.5 31.23,47.371 47.75,47.371 47.75,39.5 31.23,39.5 ; 48.23,7 48.23,14.121 64.75,14.121 64.75,7 48.23,7 ; 48.23,14.5 48.23,22.371 64.75,22.371 64.75,14.5 48.23,14.5 ; 48.23,22.75 48.23,30.621 64.75,30.621 64.75,22.75 48.23,22.75 ; 48.23,31.25 48.23,39.121 64.75,39.121 64.75,31.25 48.23,31.25 ; 48.25,39.5 64.77,39.5 64.77,47.371 48.25,47.371 48.25,39.5
  text "Canal 11" at 16.975,40.007 h0.7
  text "Canal 6" at 33.775,40.007 h0.7
  text "Canal 1" at 50.752,40.007 h0.7
  text "Canal 16" at 3.218,37.507 h0.7
  text "Canal 7" at 33.775,31.757 h0.7
  text "Canal 2" at 50.773,31.757 h0.7
  text "Canal 12" at 17.216,31.707 h0.7
  text "Canal 8" at 33.775,23.257 h0.7
  text "Canal 3" at 50.775,23.258 h0.7
  text "Canal 13" at 17.118,23.208 h0.7
  text "Canal 4" at 50.774,15.007 h0.7
  text "Canal 9" at 29.775,14.757 h0.7
  text "Canal 14" at 13.567,14.682 h0.7
  text "Canal 5" at 50.777,6.757 h0.7
  text "Canal 10" at 30.217,6.257 h0.7
  text "Canal 15" at 13.645,6.182 h0.7
Mechanical 1:
  lines w0.127: 0,3 ccw(c3,3) 3,0 ; 0,18 cw(c1,18) 1,19 ; 0,37 ccw(c1,37) 1,36 ; 0,53 cw(c3,53) 3,56 ; 4,19 ccw(c4,20) 5,20 ; 4,36 cw(c4,35) 5,35 ; 62,0 ccw(c62,3) 65,3 ; 62,56 cw(c62,53) 65,53
  lines w0.2: 0,3 0,18 ; 0,37 0,53 ; 1,19 4,19 ; 1,36 4,36 ; 3,0 62,0 ; 3,56 62,56 ; 5,20 5,35 ; 7.87,50.73 8.87,51.73 ; 7.87,51.73 8.87,50.73 ; 32,52 33,53 ; 32,53 33,52 ; 65,3 65,53
Route Tool Path:
  lines w0.2: 45,4 45,19
  lines w2: 45,5 45,20
Docu:
  text "Connector alligment / Center 40p connector" at 27.5,48.5 h0.8
  text "Connector alligment / Pin1" at 8,46.5 h0.8
  text "Camera flex slot / Milling layer10" at 47,0.5 h0.8

## Dimensions
0,53 to 65,53 on Docu
62,56 to 62,0 on Docu
3,53 to 1,64 on Docu
5,35 to 0,30 on Docu
4,36 to 4,19 on Docu
4,36 to 3,56 on Docu
1,18 to 1,18 on Docu
0,18 to 45,4 on Docu
0,3 to 3.5,3.5 on Docu
3,0 to 3.5,3.5 on Docu